# KiCad board GanJing 65 rev 2 hotswap-rounded.kicad_pcb (continued)
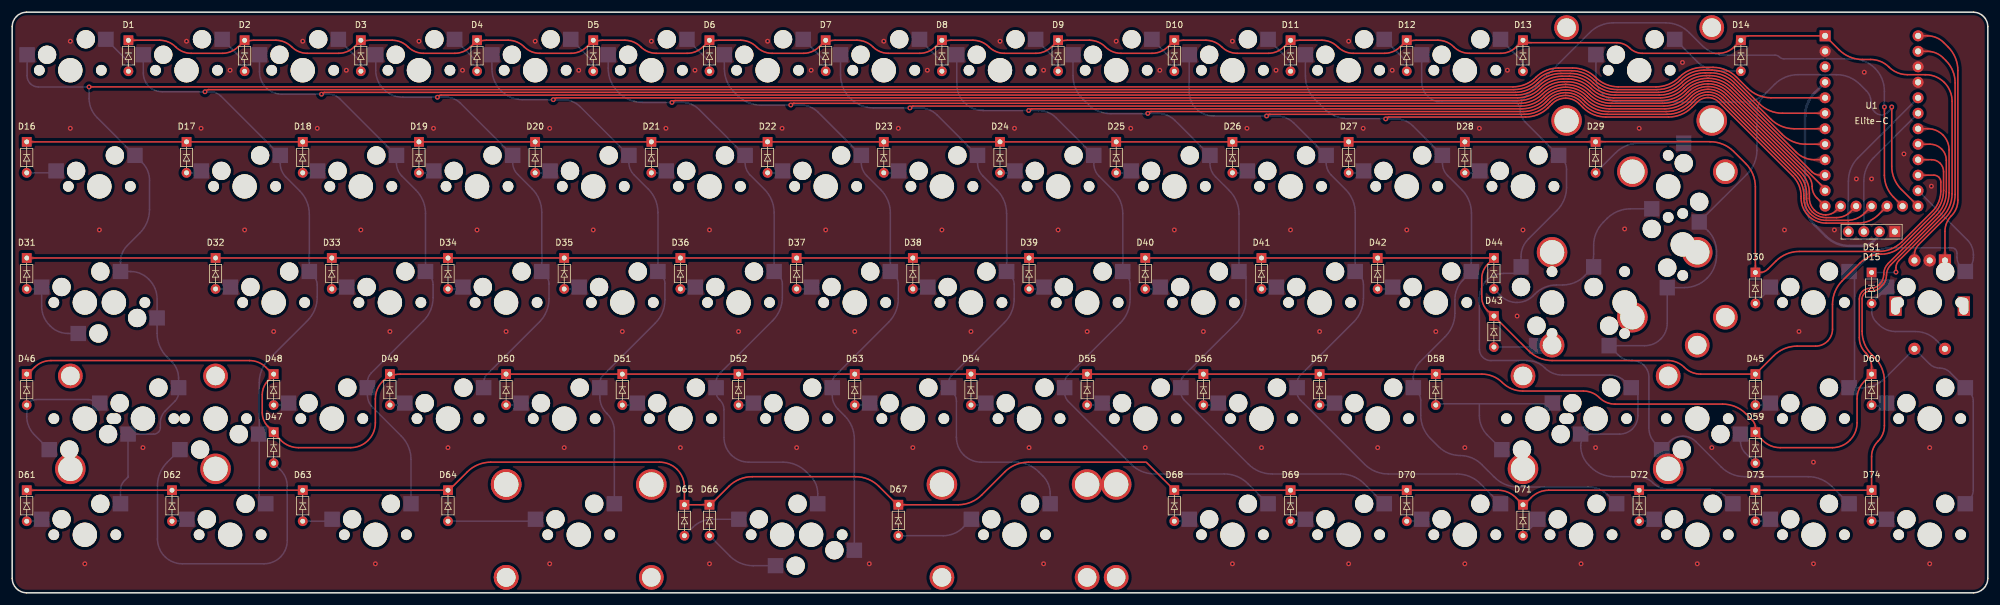
[diagram p0: board, top side]
## Copper pours and planes (outline as drawn; the poured copper is in the pictures) (continued)
col_1 on Bottom: 2.56,85.78 2.58,86.07 2.63,86.31 2.7,86.51 2.79,86.68 2.91,86.83 3.03,86.97 3.16,87.12 3.3,87.29 3.43,87.48 3.56,87.72 2.44,88.89 1.31,87.72 1.45,87.48 1.58,87.29 1.72,87.12 1.85,86.97 1.97,86.83 2.09,86.68 2.18,86.51 2.25,86.31 2.3,86.07 2.31,85.78
col_1 on Bottom: 26.95,36.41 27.03,36.11 27.06,35.85 27.03,35.62 26.96,35.42 26.86,35.24 26.74,35.07 26.59,34.88 26.44,34.68 26.29,34.46 26.15,34.2 27.27,33.03 28.4,34.2 28.25,34.48 28.12,34.72 27.99,34.92 27.76,35.28 27.65,35.46 27.54,35.65 27.43,35.88 27.31,36.16 27.19,36.49
col_1 on Bottom: 26.67,31.25 26.87,31.45 27.05,31.63 27.19,31.78 27.32,31.92 27.68,32.29 27.82,32.43 27.97,32.59 28.16,32.77 27.34,34.28 26.09,33.24 26.19,33.02 26.3,32.82 26.42,32.63 26.54,32.45 26.64,32.29 26.71,32.12 26.75,31.96 26.73,31.79 26.65,31.61 26.49,31.42
col_1 on Bottom: 17.98,18.08 17.77,17.71 17.6,17.4 17.48,17.12 17.38,16.86 17.3,16.62 17.23,16.39 17.14,16.14 17.03,15.88 16.88,15.6 16.69,15.27 17.75,13.98 18.87,15.15 18.7,15.47 18.52,15.77 18.34,16.03 18.17,16.28 18.04,16.52 17.94,16.77 17.9,17.02 17.92,17.3 18.01,17.6 18.2,17.95
col_2 on Top: 295.39,78.55 295.6,78.53 295.77,78.5 295.92,78.45 296.04,78.39 296.15,78.31 296.25,78.23 296.36,78.14 296.48,78.05 296.62,77.95 296.79,77.86 297.63,78.67 296.79,79.48 296.62,79.39 296.48,79.29 296.36,79.2 296.25,79.11 296.15,79.03 296.04,78.95 295.92,78.89 295.77,78.84 295.6,78.81 295.39,78.8
col_2 on Bottom: 48.58,55.21 48.56,54.91 48.52,54.67 48.44,54.47 48.35,54.3 48.24,54.15 48.12,54 47.98,53.85 47.85,53.69 47.71,53.49 47.58,53.25 48.7,52.08 49.83,53.25 49.7,53.49 49.56,53.69 49.43,53.85 49.29,54 49.17,54.15 49.06,54.3 48.96,54.47 48.89,54.67 48.85,54.91 48.83,55.21
col_2 on Bottom: 50.12,50.64 50.1,50.93 50.08,51.18 50.07,51.39 50.05,51.58 50.02,51.92 50,52.1 49.99,52.3 49.97,52.52 49.95,52.78 48.3,53.18 48.2,51.56 48.44,51.48 48.67,51.42 48.9,51.39 49.11,51.36 49.31,51.32 49.48,51.27 49.63,51.18 49.75,51.05 49.83,50.87 49.87,50.62
col_2 on Bottom: 21.62,85.78 21.63,86.07 21.68,86.31 21.75,86.51 21.84,86.68 21.96,86.83 22.08,86.97 22.21,87.12 22.35,87.29 22.48,87.48 22.62,87.72 21.49,88.89 20.37,87.72 20.5,87.48 20.63,87.29 20.77,87.12 20.9,86.97 21.02,86.83 21.14,86.68 21.23,86.51 21.3,86.31 21.35,86.07 21.37,85.78
col_3 on Top: 295.39,76 295.6,75.99 295.77,75.96 295.92,75.91 296.04,75.85 296.15,75.77 296.25,75.69 296.36,75.6 296.48,75.51 296.62,75.41 296.79,75.32 297.63,76.13 296.79,76.94 296.62,76.85 296.48,76.75 296.36,76.66 296.25,76.57 296.15,76.49 296.04,76.41 295.92,76.35 295.77,76.3 295.6,76.27 295.39,76.25
col_3 on Bottom: 69.12,50.61 69.12,50.9 69.11,51.15 69.09,51.36 69.08,51.54 69.05,51.88 69.03,52.05 69.02,52.24 69.01,52.46 69,52.72 67.35,53.18 67.24,51.57 67.47,51.48 67.7,51.42 67.93,51.38 68.14,51.35 68.34,51.31 68.51,51.25 68.66,51.17 68.77,51.04 68.85,50.85 68.87,50.61
col_3 on Bottom: 58.73,36.11 58.53,35.89 58.37,35.71 58.23,35.55 58.11,35.41 57.89,35.15 57.78,35.02 57.65,34.87 57.5,34.71 57.32,34.52 58.18,33.03 59.4,34.1 59.29,34.32 59.17,34.53 59.04,34.71 58.91,34.89 58.8,35.05 58.71,35.22 58.67,35.38 58.68,35.55 58.76,35.74 58.91,35.93
col_3 on Bottom: 67.63,55.21 67.61,54.91 67.57,54.66 67.49,54.46 67.4,54.3 67.29,54.15 67.17,54 67.03,53.85 66.9,53.69 66.76,53.49 66.63,53.25 67.75,52.08 68.88,53.25 68.75,53.49 68.61,53.69 68.48,53.85 68.34,54 68.22,54.15 68.11,54.3 68.02,54.46 67.94,54.66 67.9,54.91 67.88,55.21
col_3 on Bottom: 40.66,85.78 40.68,86.07 40.73,86.31 40.8,86.51 40.89,86.68 41.01,86.83 41.13,86.97 41.26,87.12 41.4,87.29 41.53,87.48 41.66,87.72 40.54,88.89 39.41,87.72 39.55,87.48 39.68,87.29 39.82,87.12 39.95,86.97 40.07,86.83 40.19,86.68 40.28,86.51 40.35,86.31 40.4,86.07 40.41,85.78
col_3 on Bottom: 58.63,31.25 58.54,31.5 58.5,31.72 58.53,31.9 58.59,32.07 58.69,32.22 58.81,32.37 58.95,32.53 59.1,32.7 59.24,32.9 59.36,33.12 58.22,34.28 57.11,33.1 57.25,32.85 57.37,32.64 57.5,32.46 57.62,32.31 57.74,32.17 57.86,32.02 57.99,31.85 58.12,31.66 58.26,31.43 58.41,31.14
col_3 on Bottom: 61.13,73.44 61.33,73.22 61.47,73.01 61.56,72.82 61.61,72.63 61.64,72.45 61.66,72.26 61.67,72.06 61.69,71.84 61.74,71.61 61.81,71.34 63.43,71.31 63.4,72.94 63.14,73.01 62.9,73.06 62.69,73.08 62.49,73.09 62.3,73.1 62.11,73.13 61.93,73.19 61.73,73.28 61.53,73.42 61.31,73.62
col_3 on Bottom: 65.25,17.09 65.23,16.8 65.18,16.56 65.11,16.36 65.02,16.19 64.91,16.04 64.78,15.9 64.65,15.75 64.51,15.58 64.38,15.39 64.25,15.15 65.37,13.98 66.5,15.15 66.37,15.39 66.23,15.58 66.1,15.75 65.96,15.9 65.84,16.04 65.73,16.19 65.63,16.36 65.56,16.56 65.51,16.8 65.5,17.09
col_3 on Bottom: 63.37,69.33 63.28,69.59 63.25,69.81 63.27,69.99 63.34,70.16 63.44,70.32 63.57,70.47 63.71,70.62 63.85,70.79 63.99,70.99 64.12,71.21 62.99,72.38 61.87,71.21 62,70.95 62.13,70.75 62.25,70.57 62.37,70.42 62.5,70.27 62.62,70.12 62.74,69.95 62.87,69.76 63,69.52 63.14,69.23
col_4 on Top: 295.39,73.47 295.6,73.45 295.77,73.42 295.92,73.37 296.04,73.31 296.15,73.23 296.25,73.15 296.36,73.06 296.48,72.97 296.62,72.87 296.79,72.78 297.63,73.59 296.79,74.4 296.62,74.31 296.48,74.21 296.36,74.12 296.25,74.03 296.15,73.95 296.04,73.87 295.92,73.81 295.77,73.76 295.6,73.73 295.39,73.72
col_4 on Bottom: 82.48,69.36 82.37,69.6 82.34,69.82 82.35,70 82.41,70.17 82.51,70.32 82.64,70.48 82.77,70.64 82.92,70.81 83.05,71.01 83.18,71.23 82.03,72.38 80.94,71.17 81.08,70.92 81.21,70.71 81.34,70.54 81.46,70.39 81.58,70.25 81.7,70.1 81.82,69.94 81.96,69.75 82.1,69.52 82.26,69.24
col_4 on Bottom: 86.68,55.21 86.66,54.91 86.62,54.67 86.54,54.47 86.45,54.3 86.34,54.15 86.22,54 86.08,53.85 85.95,53.69 85.81,53.49 85.68,53.25 86.8,52.08 87.93,53.25 87.8,53.49 87.66,53.69 87.53,53.85 87.39,54 87.27,54.15 87.16,54.3 87.06,54.47 86.99,54.67 86.95,54.91 86.93,55.21
col_4 on Bottom: 88.12,50.6 88.12,50.89 88.12,51.13 88.11,51.34 88.1,51.52 88.08,51.86 88.07,52.04 88.06,52.23 88.06,52.45 88.05,52.71 86.41,53.19 86.28,51.57 86.51,51.48 86.73,51.43 86.95,51.38 87.17,51.35 87.36,51.3 87.53,51.24 87.67,51.15 87.78,51.02 87.85,50.84 87.88,50.6
col_4 on Bottom: 59.71,85.78 59.73,86.07 59.78,86.31 59.85,86.51 59.94,86.68 60.06,86.83 60.18,86.97 60.31,87.12 60.45,87.29 60.58,87.48 60.71,87.72 59.59,88.89 58.46,87.72 58.6,87.48 58.73,87.29 58.87,87.12 59,86.97 59.12,86.83 59.24,86.68 59.33,86.51 59.4,86.31 59.45,86.07 59.46,85.78
col_4 on Bottom: 80.18,73.44 80.38,73.22 80.52,73.01 80.61,72.82 80.66,72.63 80.69,72.45 80.71,72.26 80.72,72.06 80.74,71.84 80.79,71.61 80.86,71.34 82.48,71.31 82.45,72.94 82.19,73.01 81.95,73.06 81.74,73.08 81.54,73.09 81.35,73.1 81.16,73.13 80.98,73.19 80.78,73.28 80.58,73.42 80.36,73.62
col_4 on Bottom: 77.89,36.06 77.68,35.85 77.51,35.68 77.36,35.53 76.87,35.02 76.74,34.88 76.58,34.72 76.4,34.54 77.21,33.03 78.46,34.07 78.36,34.29 78.25,34.49 78.13,34.68 78.01,34.86 77.91,35.02 77.84,35.19 77.81,35.35 77.82,35.52 77.91,35.7 78.06,35.89
col_5 on Top: 294.5,71.02 294.83,70.95 295.1,70.89 295.33,70.83 295.54,70.77 295.73,70.71 295.91,70.64 296.09,70.57 296.29,70.48 296.52,70.37 296.79,70.24 297.63,71.05 296.79,71.86 296.53,71.73 296.31,71.6 296.11,71.49 295.93,71.39 295.75,71.31 295.56,71.24 295.36,71.2 295.13,71.19 294.87,71.21 294.55,71.27
col_5 on Bottom: 105.73,55.21 105.71,54.92 105.67,54.67 105.59,54.47 105.5,54.3 105.39,54.15 105.27,54.01 105.13,53.85 105,53.69 104.86,53.49 104.73,53.25 105.85,52.08 106.98,53.25 106.85,53.49 106.71,53.69 106.58,53.85 106.44,54.01 106.32,54.15 106.21,54.3 106.11,54.47 106.04,54.67 106,54.92 105.98,55.21
col_5 on Bottom: 78.92,84.74 78.83,85.15 78.8,85.5 78.82,85.81 78.88,86.08 78.97,86.33 79.1,86.57 79.24,86.81 79.41,87.08 79.58,87.38 79.77,87.72 78.64,88.89 77.51,87.72 77.84,87.05 77.97,86.79 78.08,86.54 78.18,86.3 78.27,86.05 78.37,85.78 78.46,85.47 78.56,85.11 78.67,84.67
col_5 on Bottom: 99.23,73.44 99.43,73.21 99.57,73.01 99.66,72.82 99.72,72.63 99.74,72.45 99.76,72.26 99.77,72.06 99.79,71.84 99.84,71.61 99.91,71.34 101.53,71.31 101.5,72.94 101.24,73.01 101,73.05 100.79,73.08 100.59,73.09 100.4,73.1 100.22,73.13 100.03,73.18 99.84,73.28 99.63,73.41 99.41,73.61
col_5 on Bottom: 97.02,36.02 96.81,35.81 96.63,35.64 96.47,35.49 96.33,35.36 96.07,35.13 95.94,35.01 95.8,34.88 95.63,34.72 95.45,34.54 96.24,33.04 97.52,34.04 97.43,34.26 97.33,34.46 97.22,34.65 97.11,34.82 97.02,34.99 96.96,35.15 96.93,35.31 96.95,35.48 97.04,35.66 97.19,35.84
col_5 on Bottom: 101.51,69.36 101.41,69.6 101.37,69.82 101.39,70 101.46,70.17 101.56,70.32 101.68,70.48 101.82,70.64 101.96,70.81 102.1,71 102.22,71.23 101.08,72.38 99.98,71.19 100.11,70.94 100.24,70.73 100.37,70.56 100.49,70.4 100.61,70.26 100.73,70.11 100.86,69.95 100.99,69.76 101.13,69.53 101.29,69.24
col_5 on Bottom: 107.12,50.58 107.12,50.87 107.12,51.11 107.12,51.33 107.11,52.03 107.11,52.22 107.11,52.44 107.1,52.71 105.47,53.19 105.31,51.58 105.54,51.49 105.76,51.43 105.98,51.38 106.18,51.34 106.37,51.29 106.54,51.23 106.68,51.13 106.78,51 106.85,50.82 106.88,50.58
col_5 on Bottom: 96.66,30.93 96.57,31.23 96.55,31.49 96.57,31.71 96.64,31.9 96.74,32.08 96.87,32.26 97.01,32.44 97.16,32.63 97.31,32.85 97.45,33.11 96.33,34.28 95.2,33.11 95.35,32.83 95.48,32.6 95.61,32.4 95.73,32.22 95.84,32.05 95.95,31.87 96.06,31.68 96.18,31.45 96.3,31.18 96.42,30.85
col_5 on Bottom: 98.59,17.09 98.57,16.8 98.52,16.56 98.45,16.36 98.36,16.19 98.24,16.04 98.12,15.9 97.99,15.75 97.85,15.58 97.72,15.39 97.59,15.15 98.71,13.98 99.84,15.15 99.7,15.39 99.57,15.58 99.43,15.75 99.3,15.9 99.18,16.04 99.07,16.19 98.97,16.36 98.9,16.56 98.85,16.8 98.84,17.09
col_6 on Top: 295.35,68.65 295.55,68.54 295.72,68.43 295.85,68.34 295.97,68.25 296.18,68.09 296.29,68.01 296.42,67.92 296.56,67.83 296.74,67.73 297.63,68.5 296.81,69.33 296.65,69.24 296.51,69.15 296.39,69.05 296.27,68.96 296.16,68.87 296.05,68.81 295.93,68.77 295.8,68.76 295.65,68.79 295.48,68.87
col_6 on Bottom: 118.28,73.44 118.48,73.22 118.62,73.01 118.71,72.82 118.76,72.63 118.79,72.45 118.81,72.26 118.82,72.06 118.84,71.84 118.89,71.61 118.96,71.34 120.58,71.31 120.55,72.94 120.29,73.01 120.05,73.06 119.84,73.08 119.64,73.09 119.45,73.1 119.26,73.13 119.08,73.19 118.88,73.28 118.68,73.42 118.46,73.62
col_6 on Bottom: 124.78,55.19 124.76,54.9 124.72,54.66 124.64,54.46 124.55,54.29 124.44,54.14 124.31,54 124.18,53.85 124.05,53.68 123.91,53.49 123.78,53.25 124.9,52.08 126.03,53.25 125.9,53.49 125.76,53.68 125.63,53.85 125.49,54 125.37,54.14 125.26,54.29 125.17,54.46 125.09,54.66 125.05,54.9 125.03,55.19
col_6 on Bottom: 131.74,17.48 131.82,17.16 131.84,16.88 131.82,16.64 131.75,16.44 131.65,16.24 131.52,16.06 131.38,15.87 131.23,15.66 131.07,15.42 130.92,15.15 132.05,13.98 133.17,15.15 133.02,15.44 132.89,15.69 132.76,15.9 132.64,16.09 132.53,16.28 132.42,16.47 132.32,16.67 132.21,16.92 132.09,17.21 131.98,17.56
col_6 on Bottom: 97.96,84.82 97.88,85.23 97.86,85.57 97.88,85.87 97.94,86.13 98.04,86.37 98.16,86.6 98.31,86.84 98.47,87.1 98.64,87.39 98.81,87.72 97.69,88.89 96.56,87.72 96.74,87.37 96.89,87.07 97.01,86.81 97.13,86.58 97.23,86.35 97.33,86.11 97.42,85.85 97.51,85.54 97.61,85.19 97.71,84.77
col_6 on Bottom: 115.92,36.1 115.72,35.89 115.55,35.71 115.41,35.56 115.29,35.42 115.07,35.16 114.95,35.03 114.83,34.88 114.68,34.72 114.5,34.54 115.32,33.03 116.55,34.09 116.45,34.31 116.33,34.52 116.2,34.7 116.07,34.88 115.96,35.05 115.88,35.21 115.84,35.38 115.86,35.55 115.94,35.73 116.1,35.92
col_6 on Bottom: 120.55,69.35 120.45,69.6 120.42,69.81 120.44,70 120.5,70.16 120.6,70.32 120.73,70.47 120.86,70.63 121.01,70.8 121.15,71 121.27,71.22 120.14,72.38 119.02,71.2 119.16,70.94 119.29,70.74 119.41,70.56 119.53,70.41 119.65,70.26 119.78,70.11 119.9,69.95 120.03,69.76 120.17,69.52 120.32,69.24
col_6 on Bottom: 116.75,30.55 116.66,30.93 116.58,31.24 116.51,31.52 116.46,31.76 116.42,31.99 116.4,32.22 116.41,32.45 116.44,32.7 116.49,32.98 116.58,33.31 115.28,34.27 114.36,32.93 114.61,32.62 114.87,32.38 115.13,32.19 115.37,32.02 115.61,31.87 115.84,31.7 116.04,31.5 116.22,31.25 116.38,30.92 116.5,30.5
col_6 on Bottom: 126.37,50.7 126.36,50.98 126.34,51.21 126.32,51.42 126.29,51.59 126.23,51.92 126.21,52.09 126.18,52.27 126.16,52.48 126.15,52.73 124.46,53.15 124.5,51.52 124.73,51.46 124.96,51.42 125.18,51.4 125.4,51.38 125.59,51.35 125.76,51.3 125.91,51.22 126.02,51.1 126.09,50.93 126.12,50.69
col_7 on Top: 295.97,67.29 296.11,67.14 296.2,67.01 296.25,66.88 296.29,66.75 296.3,66.63 296.29,66.5 296.28,66.36 296.28,66.22 296.27,66.05 296.29,65.87 297.42,65.59 297.66,66.73 297.48,66.83 297.32,66.9 297.17,66.95 297.03,66.99 296.89,67.02 296.76,67.06 296.62,67.12 296.48,67.2 296.32,67.31 296.15,67.47
col_7 on Bottom: 145.37,50.66 145.37,50.95 145.35,51.18 145.34,51.39 145.31,51.57 145.27,51.89 145.24,52.06 145.22,52.25 145.21,52.46 145.2,52.71 143.53,53.16 143.51,51.54 143.74,51.47 143.97,51.42 144.19,51.39 144.4,51.37 144.6,51.34 144.77,51.28 144.92,51.2 145.03,51.08 145.1,50.9 145.12,50.66
col_7 on Bottom: 137.33,73.44 137.53,73.21 137.67,73.01 137.76,72.82 137.82,72.63 137.84,72.45 137.86,72.26 137.87,72.06 137.89,71.84 137.94,71.61 138.01,71.34 139.63,71.31 139.6,72.94 139.34,73.01 139.1,73.05 138.89,73.08 138.69,73.09 138.5,73.1 138.32,73.13 138.13,73.18 137.94,73.28 137.73,73.41 137.51,73.61
col_7 on Bottom: 135.12,36.02 134.91,35.81 134.73,35.64 134.57,35.49 134.43,35.36 134.17,35.13 134.04,35.01 133.9,34.88 133.73,34.72 133.55,34.54 134.34,33.04 135.62,34.04 135.53,34.26 135.43,34.46 135.32,34.65 135.21,34.82 135.12,34.99 135.06,35.15 135.03,35.31 135.05,35.48 135.14,35.66 135.29,35.84
col_7 on Bottom: 134.79,31.19 134.7,31.46 134.68,31.68 134.7,31.87 134.77,32.04 134.87,32.2 135,32.35 135.14,32.51 135.28,32.69 135.43,32.88 135.55,33.11 134.43,34.28 133.3,33.11 133.44,32.85 133.57,32.64 133.69,32.46 133.81,32.31 133.93,32.16 134.05,32 134.17,31.83 134.3,31.63 134.43,31.39 134.56,31.1
col_7 on Bottom: 139.58,69.34 139.49,69.6 139.46,69.81 139.48,70 139.55,70.16 139.65,70.32 139.77,70.47 139.91,70.63 140.05,70.8 140.19,70.99 140.32,71.22 139.19,72.38 138.07,71.2 138.2,70.95 138.33,70.74 138.46,70.57 138.58,70.41 138.7,70.27 138.82,70.12 138.94,69.96 139.07,69.76 139.21,69.53 139.35,69.24
col_7 on Bottom: 143.83,55.19 143.81,54.9 143.77,54.66 143.69,54.46 143.6,54.29 143.49,54.14 143.36,54 143.23,53.85 143.1,53.68 142.96,53.49 142.83,53.25 143.95,52.08 145.08,53.25 144.95,53.49 144.81,53.68 144.68,53.85 144.54,54 144.42,54.14 144.31,54.29 144.22,54.46 144.14,54.66 144.1,54.9 144.08,55.19
col_7 on Bottom: 137.93,9.47 137.91,9.18 137.87,8.94 137.79,8.74 137.7,8.57 137.59,8.42 137.46,8.28 137.33,8.13 137.2,7.96 137.06,7.77 136.93,7.53 138.05,6.36 139.18,7.53 139.05,7.77 138.91,7.96 138.78,8.13 138.64,8.28 138.52,8.42 138.41,8.57 138.31,8.74 138.24,8.94 138.2,9.18 138.18,9.47
col_7 on Bottom: 117,84.8 116.93,85.21 116.9,85.55 116.93,85.85 116.99,86.12 117.08,86.36 117.21,86.59 117.35,86.83 117.52,87.09 117.69,87.38 117.87,87.72 116.74,88.89 115.62,87.72 115.79,87.37 115.94,87.07 116.07,86.81 116.18,86.57 116.28,86.33 116.38,86.09 116.47,85.83 116.56,85.52 116.66,85.17 116.76,84.74
col_8 on Top: 295.83,64.61 295.97,64.45 296.07,64.31 296.13,64.17 296.18,64.04 296.2,63.91 296.21,63.78 296.23,63.64 296.24,63.48 296.28,63.32 296.33,63.13 297.5,63.11 297.48,64.28 297.29,64.33 297.13,64.37 296.97,64.38 296.83,64.4 296.7,64.41 296.57,64.43 296.44,64.48 296.3,64.54 296.16,64.64 296,64.78
col_8 on Bottom: 158.62,69.33 158.53,69.59 158.5,69.81 158.52,69.99 158.59,70.16 158.69,70.32 158.82,70.47 158.96,70.62 159.1,70.79 159.24,70.99 159.37,71.21 158.24,72.38 157.12,71.21 157.25,70.95 157.38,70.75 157.5,70.57 157.62,70.42 157.75,70.27 157.87,70.12 157.99,69.95 158.12,69.76 158.25,69.52 158.39,69.23
col_8 on Bottom: 164.37,50.61 164.37,50.9 164.36,51.15 164.34,51.36 164.33,51.54 164.3,51.88 164.28,52.05 164.27,52.24 164.26,52.46 164.25,52.72 162.6,53.18 162.49,51.57 162.72,51.48 162.95,51.42 163.18,51.38 163.39,51.35 163.59,51.31 163.76,51.25 163.91,51.17 164.02,51.04 164.1,50.85 164.12,50.61
col_8 on Bottom: 156.38,73.44 156.58,73.22 156.72,73.01 156.81,72.82 156.86,72.63 156.89,72.45 156.91,72.26 156.92,72.06 156.94,71.84 156.99,71.61 157.06,71.34 158.68,71.31 158.65,72.94 158.39,73.01 158.15,73.06 157.94,73.08 157.74,73.09 157.55,73.1 157.36,73.13 157.18,73.19 156.98,73.28 156.78,73.42 156.56,73.62
col_8 on Bottom: 154.9,31.6 154.88,31.89 154.86,32.14 154.84,32.35 154.83,32.54 154.78,33.06 154.76,33.26 154.75,33.48 154.73,33.74 153.07,34.13 152.98,32.51 153.22,32.43 153.45,32.37 153.67,32.34 153.89,32.31 154.08,32.27 154.26,32.22 154.41,32.14 154.53,32.01 154.61,31.83 154.65,31.58
col_8 on Bottom: 154.17,36.02 153.96,35.81 153.78,35.64 153.62,35.49 153.48,35.36 153.22,35.13 153.09,35.01 152.95,34.88 152.78,34.72 152.6,34.54 153.39,33.04 154.67,34.04 154.58,34.26 154.48,34.46 154.37,34.65 154.26,34.82 154.17,34.99 154.11,35.15 154.08,35.31 154.1,35.48 154.19,35.66 154.34,35.84
col_8 on Bottom: 169.84,17.48 169.92,17.16 169.94,16.88 169.92,16.64 169.85,16.44 169.75,16.24 169.62,16.06 169.48,15.87 169.33,15.66 169.17,15.42 169.02,15.15 170.15,13.98 171.27,15.15 171.12,15.44 170.99,15.69 170.86,15.9 170.74,16.09 170.63,16.28 170.52,16.47 170.42,16.67 170.31,16.92 170.19,17.21 170.08,17.56
col_8 on Bottom: 135.91,85.78 135.93,86.07 135.98,86.31 136.05,86.51 136.14,86.68 136.26,86.83 136.38,86.97 136.51,87.12 136.65,87.29 136.78,87.48 136.91,87.72 135.79,88.89 134.66,87.72 134.8,87.48 134.93,87.29 135.07,87.12 135.2,86.97 135.32,86.83 135.44,86.68 135.53,86.51 135.6,86.31 135.65,86.07 135.66,85.78
col_8 on Bottom: 162.88,55.21 162.86,54.91 162.82,54.66 162.74,54.46 162.65,54.3 162.54,54.15 162.42,54 162.28,53.85 162.15,53.69 162.01,53.49 161.88,53.25 163,52.08 164.13,53.25 164,53.49 163.86,53.69 163.73,53.85 163.59,54 163.47,54.15 163.36,54.3 163.27,54.46 163.19,54.66 163.15,54.91 163.13,55.21
col_9 on Top: 298.32,62.09 298.54,62.19 298.73,62.26 298.9,62.31 299.05,62.35 299.19,62.38 299.33,62.4 299.48,62.43 299.63,62.47 299.81,62.51 300.02,62.58 300.04,63.75 298.87,63.73 298.82,63.54 298.78,63.36 298.76,63.2 298.75,63.04 298.72,62.9 298.69,62.77 298.63,62.64 298.53,62.53 298.4,62.42 298.22,62.32
col_9 on Bottom: 173.27,31.4 173.12,31.6 173.04,31.77 173.02,31.94 173.06,32.11 173.13,32.27 173.24,32.44 173.36,32.61 173.49,32.8 173.61,33.01 173.7,33.23 172.46,34.28 171.65,32.77 171.83,32.59 171.98,32.43 172.11,32.29 172.23,32.16 172.45,31.9 172.58,31.77 172.72,31.61 172.89,31.44 173.1,31.23
col_9 on Bottom: 183.38,50.6 183.37,50.89 183.37,51.13 183.36,51.34 183.35,51.52 183.33,51.86 183.32,52.04 183.31,52.23 183.31,52.45 183.3,52.71 181.66,53.19 181.53,51.57 181.76,51.48 181.98,51.43 182.2,51.38 182.42,51.35 182.61,51.3 182.78,51.24 182.92,51.15 183.03,51.02 183.1,50.84 183.12,50.6
col_9 on Bottom: 204.02,16.28 204.22,16.06 204.35,15.85 204.44,15.66 204.5,15.47 204.52,15.29 204.54,15.1 204.55,14.9 204.57,14.69 204.61,14.46 204.69,14.19 206.31,14.16 206.28,15.79 206.02,15.86 205.78,15.9 205.57,15.92 205.37,15.94 205.18,15.95 205,15.98 204.81,16.03 204.62,16.12 204.42,16.26 204.19,16.45
col_9 on Bottom: 154.97,85.78 154.98,86.07 155.03,86.31 155.1,86.51 155.19,86.68 155.31,86.83 155.43,86.97 155.56,87.12 155.7,87.29 155.83,87.48 155.97,87.72 154.84,88.89 153.72,87.72 153.85,87.48 153.98,87.29 154.12,87.12 154.25,86.97 154.37,86.83 154.49,86.68 154.58,86.51 154.65,86.31 154.7,86.07 154.72,85.78
col_9 on Bottom: 181.93,55.21 181.91,54.91 181.87,54.67 181.79,54.47 181.7,54.3 181.59,54.15 181.47,54 181.33,53.85 181.2,53.69 181.06,53.49 180.93,53.25 182.05,52.08 183.18,53.25 183.05,53.49 182.91,53.69 182.78,53.85 182.64,54 182.52,54.15 182.41,54.3 182.31,54.47 182.24,54.67 182.2,54.91 182.18,55.21
col_9 on Bottom: 173.22,36.02 173.01,35.81 172.83,35.64 172.67,35.49 172.53,35.36 172.27,35.13 172.14,35.01 172,34.88 171.83,34.72 171.65,34.54 172.44,33.04 173.72,34.04 173.63,34.26 173.53,34.46 173.42,34.65 173.31,34.82 173.22,34.99 173.16,35.15 173.13,35.31 173.15,35.48 173.24,35.66 173.39,35.84
col_10 on Top: 300.66,61.84 300.91,61.97 301.12,62.08 301.3,62.16 301.47,62.23 301.62,62.28 301.78,62.33 302.12,62.44 302.32,62.5 302.56,62.58 302.58,63.75 301.41,63.73 301.34,63.5 301.29,63.29 301.26,63.11 301.22,62.93 301.18,62.77 301.12,62.62 301.04,62.47 300.92,62.33 300.76,62.2 300.54,62.06
col_10 on Bottom: 192.27,36.02 192.06,35.81 191.88,35.64 191.72,35.49 191.58,35.36 191.32,35.13 191.19,35.01 191.05,34.88 190.88,34.72 190.7,34.54 191.49,33.04 192.77,34.04 192.68,34.26 192.58,34.46 192.47,34.65 192.36,34.82 192.27,34.99 192.21,35.15 192.18,35.31 192.2,35.48 192.29,35.66 192.44,35.84
col_10 on Bottom: 174.02,85.78 174.03,86.07 174.08,86.31 174.15,86.51 174.24,86.68 174.36,86.83 174.48,86.97 174.61,87.12 174.75,87.29 174.88,87.48 175.02,87.72 173.89,88.89 172.77,87.72 172.9,87.48 173.03,87.29 173.17,87.12 173.3,86.97 173.42,86.83 173.54,86.68 173.63,86.51 173.7,86.31 173.75,86.07 173.77,85.78
col_10 on Bottom: 223.07,16.28 223.27,16.06 223.4,15.85 223.49,15.66 223.55,15.47 223.57,15.29 223.59,15.1 223.6,14.9 223.62,14.69 223.66,14.46 223.74,14.19 225.36,14.16 225.33,15.79 225.07,15.86 224.83,15.9 224.62,15.92 224.42,15.94 224.23,15.95 224.05,15.98 223.86,16.03 223.67,16.12 223.47,16.26 223.24,16.45
col_10 on Bottom: 200.98,55.19 200.96,54.9 200.92,54.66 200.84,54.46 200.75,54.29 200.64,54.14 200.51,54 200.38,53.85 200.25,53.68 200.11,53.49 199.98,53.25 201.1,52.08 202.23,53.25 202.1,53.49 201.96,53.68 201.83,53.85 201.69,54 201.57,54.14 201.46,54.29 201.37,54.46 201.29,54.66 201.25,54.9 201.23,55.19
col_10 on Bottom: 192.46,31.47 192.3,31.66 192.22,31.83 192.19,32 192.22,32.16 192.28,32.33 192.37,32.49 192.47,32.67 192.58,32.85 192.69,33.06 192.77,33.28 191.49,34.27 190.7,32.77 190.88,32.59 191.05,32.43 191.19,32.3 191.33,32.18 191.59,31.95 191.73,31.82 191.89,31.68 192.07,31.5 192.28,31.29
col_11 on Top: 303,61.6 303.27,61.77 303.5,61.91 303.7,62.02 303.88,62.11 304.05,62.19 304.22,62.27 304.4,62.34 304.6,62.41 304.83,62.49 305.1,62.58 305.12,63.75 303.95,63.73 303.87,63.46 303.8,63.23 303.75,63.02 303.7,62.82 303.64,62.64 303.56,62.47 303.45,62.31 303.31,62.15 303.11,61.98 302.87,61.81
col_11 on Bottom: 220.03,55.19 220.01,54.9 219.97,54.66 219.89,54.46 219.8,54.29 219.69,54.14 219.56,54 219.43,53.85 219.3,53.68 219.16,53.49 219.03,53.25 220.15,52.08 221.28,53.25 221.15,53.49 221.01,53.68 220.88,53.85 220.74,54 220.62,54.14 220.51,54.29 220.42,54.46 220.34,54.66 220.3,54.9 220.28,55.19
col_11 on Bottom: 215.8,69.35 215.7,69.6 215.67,69.81 215.69,70 215.75,70.16 215.85,70.32 215.98,70.47 216.11,70.63 216.26,70.8 216.4,71 216.52,71.22 215.39,72.38 214.27,71.2 214.41,70.94 214.54,70.74 214.66,70.56 214.78,70.41 214.9,70.26 215.03,70.11 215.15,69.95 215.28,69.76 215.42,69.52 215.57,69.24
col_11 on Bottom: 242.12,16.28 242.32,16.06 242.45,15.85 242.54,15.66 242.6,15.47 242.62,15.29 242.64,15.1 242.65,14.9 242.67,14.69 242.71,14.46 242.79,14.19 244.41,14.16 244.38,15.79 244.12,15.86 243.88,15.9 243.67,15.92 243.47,15.94 243.28,15.95 243.1,15.98 242.91,16.03 242.72,16.12 242.52,16.26 242.29,16.45
col_11 on Bottom: 193.06,85.78 193.08,86.07 193.13,86.31 193.2,86.51 193.29,86.68 193.41,86.83 193.53,86.97 193.66,87.12 193.8,87.29 193.93,87.48 194.06,87.72 192.94,88.89 191.81,87.72 191.95,87.48 192.08,87.29 192.22,87.12 192.35,86.97 192.47,86.83 192.59,86.68 192.68,86.51 192.75,86.31 192.8,86.07 192.81,85.78
col_11 on Bottom: 211.32,36.02 211.11,35.81 210.93,35.64 210.77,35.49 210.63,35.36 210.37,35.13 210.24,35.01 210.1,34.88 209.93,34.72 209.75,34.54 210.54,33.04 211.82,34.04 211.73,34.26 211.63,34.46 211.52,34.65 211.41,34.82 211.32,34.99 211.26,35.15 211.23,35.31 211.25,35.48 211.34,35.66 211.49,35.84